# Altium PCB pioneer_2-bluepill_eletronic_wrapper.PcbDoc (part 2 of 2)
Units mm, origin at the board's own origin, x right, y up, seen from the top; angles counter-clockwise.
Board outline 74.55 x 93.73 mm, 2 copper layers (Top Layer, Bottom Layer); 99 components, 70 nets, 327 pads, 80 vias.
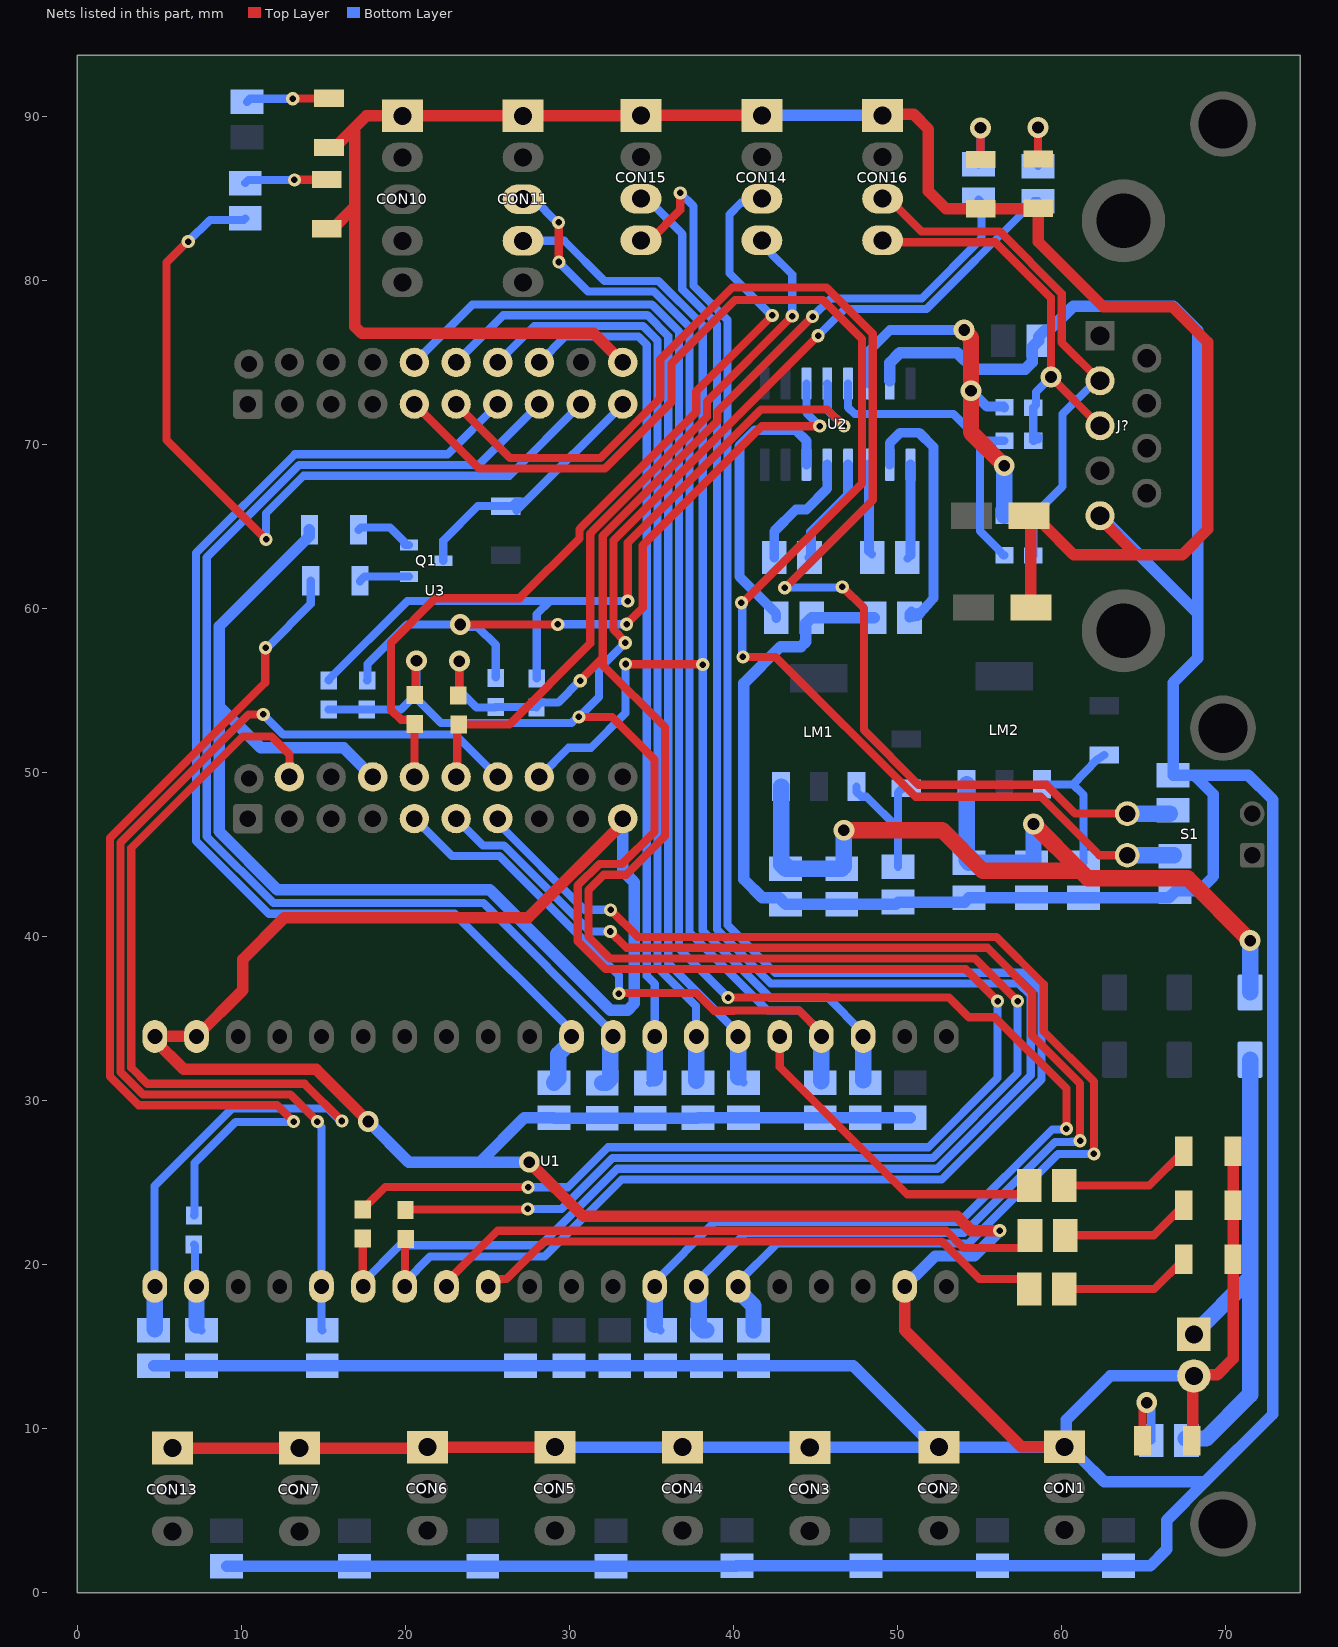
[diagram p2: the nets of this part, all layers, seen from the top]

## Via types
v1: diameter 0.8, hole 0.4, Top Layer to Bottom Layer, 52 vias
v2: diameter 1.27, hole 0.711, Top Layer to Bottom Layer, 28 vias

## Nets (pads, with @x,y where several pads share a name; then routed paths per layer and width w, separated by ;. In a path a pad name is that pad's centre, name@x,y a point inside that pad or via, vN(x,y) a via of type N, cw(c..) or ccw(c..) an arc to the next point about the centre after c; other vN are vias at no path point) (continued)
encoder2_s2: CON11.4 R51.1 U1.23 U3.18 | length 79.7
  Top Layer w0.5: v1(33.426,56.617) 33.445,56.598 38.109,56.598 v1(38.128,56.58)
  Bottom Layer w0.5: CON11.4@27.178,82.423 29.685,82.423 32.132,79.976 35.426,79.976 38.128,77.275 v1(38.128,56.58) ; U3.18@28.169,49.733 29.947,51.511 31.318,51.511 33.426,53.619 v1(33.426,56.617) ; v1@38.197,56.511 38.128,56.441 38.128,40.368 42.225,36.271 45.763,36.271 U1.23@47.879,34.155 ; R51.1@47.904,31.225 R51.1@48.031,31.098
  Bottom Layer w1: R51.1@47.904,31.225 U1.23@47.904,33.909
encoder2_s3: CON11.3 R52.1 U1.24 U3.5 | length 96.2
  Top Layer w0.5: v1(29.337,83.541) 29.35,83.528 29.35,81.14 v1(29.362,81.128) ; v1(33.02,36.525) 33.056,36.561 37.734,36.561 38.815,35.48 40.007,35.48 40.011,35.484 44.014,35.484 45.339,34.159 U1.24@45.339,33.909
  Bottom Layer w0.5: U3.5@20.549,47.193 22.835,44.907 25.73,44.907 33.02,37.617 v1(33.02,36.525) ; CON11.3@27.178,84.963 27.833,84.963 29.256,83.541 v1(29.337,83.541) ; v1(29.362,81.128) 29.362,81.102 31.14,79.324 35.156,79.324 37.326,77.155 37.326,40.248 42.09,35.484 44.014,35.484 U1.24@45.339,34.159 ; R52.1@45.288,31.098 R52.1@45.364,31.174
  Bottom Layer w1: R52.1@45.364,31.174 U1.24@45.364,33.909
gnd: C1.n C2.1 C3.1 C4.n C5.2 C8.1 C9.1 CON1.1 CON2.1 CON3.1 CON4.1 CON5.1 CON6.1 CON7.1 CON10.1 CON11.1 CON12.2 CON13.1 CON14.1 CON15.1 CON16.1 D1.2 D2.2 D3.2 D7.2 D8.2 D9.2 D11.2 D12.2 J?.5 R5.2 R6.2 R8.1 R10.2 R18.2 R19.2 R20.2 R21.2 R24.2 R27.2 R28.1 R33.2 R38.2 R39.2 R40.2 R41.2 R42.2 R43.2 R44.2 R45.2 R46.2 R47.2 R48.2 R49.2 R50.2 R51.2 R52.2 R53.2 R54.2 R55.2 R56.2 R57.2 U1.19 U1.39 U1.40 U2.15 U3.10 U3.14 U3.40 | length 717.6
  Top Layer w0.7: CON13.1@5.791,8.814 CON7.1@13.538,8.814 21.285,8.814 CON6.1@21.336,8.865 CON5.1@29.108,8.865 ; D9.2@15.189,83.158 15.564,83.158 16.916,84.51 ; D8.2@15.342,88.111 15.717,88.111 15.892,88.286 15.892,88.31 17.625,90.043 CON10.1@19.812,90.043 CON11.1@27.178,90.043 34.341,90.043 CON15.1@34.366,90.068 CON14.1@41.732,90.068 ; 16.916,89.052 16.916,84.51 ; v2(17.729,28.727) 16.24,30.217 14.554,31.902 6.481,31.902 4.724,33.659 U1.40@4.724,33.909 U1.39@7.264,33.909 10.084,36.728 10.084,38.608 12.617,41.141 27.476,41.141 33.249,46.914 U3.10@33.249,47.193 ; v2(27.55,26.248) 30.861,22.936 53.635,22.936 54.504,22.068 v1(56.24,22.068) ; U3.40@33.249,75.006 31.471,76.784 17.326,76.784 16.916,77.194 16.916,84.51 ; CON16.1@49.098,90.068 49.164,90.134 50.988,90.134 51.892,89.23 51.892,85.446 52.96,84.377 D11.2@55.067,84.377 55.08,84.39 58.56,84.39 D12.2@58.572,84.403 58.572,82.372 62.535,78.41 66.751,78.41 68.91,76.251 68.91,64.821 67.361,63.271 64.58,63.271 ; U1.19@50.444,18.669 50.444,15.999 57.553,8.89 CON1.1@60.198,8.89 ; C1.n@58.011,65.659 58.461,65.659 58.911,65.209 58.911,65.117 60.757,63.271 64.58,63.271 ; C4.n@58.138,60.071 C1.n@58.138,65.532 ; J?.5@62.357,65.659 62.357,65.494 64.58,63.271 ; D7.2@67.945,9.271 68.008,9.335 68.008,13.144 CON12.2@68.072,13.208 68.148,13.284 69.494,13.284 70.461,14.251 D3.2@70.461,20.32 D2.2@70.461,23.622 D1.2@70.461,26.924
  Bottom Layer w0.7: R53.2@4.648,13.835 R18.2@7.569,13.835 R54.2@14.935,13.835 R49.2@27.026,13.835 R48.2@29.972,13.835 R47.2@32.766,13.835 R21.2@35.56,13.835 R20.2@38.354,13.835 R19.2@41.224,13.835 47.307,13.835 CON2.1@52.277,8.865 ; R55.2@9.093,1.617 R46.2@16.891,1.617 R45.2@24.714,1.617 R44.2@32.537,1.617 40.183,1.617 R43.2@40.208,1.643 R42.2@48.082,1.643 R41.2@55.804,1.643 R40.2@63.475,1.643 65.422,1.643 66.421,2.642 66.421,4.42 68.758,6.756 ; R27.2@14.146,64.795 14.146,64.42 8.636,58.91 8.636,54.051 ; v2(17.729,28.727) 20.209,26.248 24.546,26.248 ; U3.14@18.009,49.733 16.231,51.511 11.176,51.511 8.636,54.051 ; v2(27.55,26.248) 24.546,26.248 ; CON5.1@29.108,8.865 CON4.1@36.906,8.865 44.628,8.865 CON3.1@44.653,8.839 44.679,8.865 CON2.1@52.277,8.865 ; U3.10@33.249,47.193 33.249,44.018 33.96,43.307 33.96,35.919 33.55,35.509 32.487,35.509 25.136,42.86 12.189,42.86 8.636,46.413 8.636,54.051 ; CON14.1@41.732,90.068 CON16.1@49.098,90.068 ; C8.1@48.582,59.434 44.765,59.434 C9.1@44.763,59.436 44.415,59.088 44.415,57.979 44.12,57.683 42.875,57.683 40.64,55.448 40.64,43.485 41.758,42.367 42.791,42.367 C2.1@43.18,41.978 R6.2@46.609,41.978 49.911,41.978 R5.2@50.038,42.105 54.102,42.105 R10.2@54.356,42.359 C3.1@58.166,42.359 R8.1@61.341,42.359 66.548,42.359 R33.2@66.929,42.74 66.972,42.783 68.386,42.783 69.266,43.663 69.266,48.666 68.259,49.673 ; U2.15@49.53,73.889 49.53,74.973 50.147,75.59 53.645,75.59 54.635,74.6 57.796,74.6 58.206,75.01 58.206,75.927 C5.2@58.606,76.327 58.606,76.577 59.006,76.977 59.256,76.977 60.593,78.314 60.714,78.435 66.827,78.435 68.301,76.962 68.301,59.715 ; U1.19@50.457,18.715 51.061,19.319 51.094,19.319 52.299,20.523 54.686,20.523 56.231,22.068 v1(56.24,22.068) ; R50.2@50.775,28.948 R51.2@48.031,28.948 R52.2@45.288,28.948 R24.2@40.615,28.948 R38.2@37.846,28.948 37.821,28.922 R39.2@34.925,28.922 R56.2@32.004,28.922 29.083,28.922 R57.2@29.058,28.948 27.246,28.948 24.546,26.248 ; J?.5@62.357,65.659 68.301,59.715 ; CON12.2@68.072,13.208 62.967,13.208 60.289,10.53 60.289,8.981 CON1.1@60.198,8.89 ; CON2.1@52.277,8.865 CON2.1@52.527,8.865 60.173,8.865 CON1.1@60.198,8.89 ; CON1.1@60.198,8.89 60.848,8.24 61.127,8.24 62.611,6.756 68.758,6.756 ; 68.301,59.715 68.301,56.972 66.802,55.474 R28.1@66.802,49.843 71.391,49.843 72.884,48.35 72.884,44.114 72.868,44.098 72.868,10.867 68.758,6.756
led_1: R1.2 U1.25 | length 20.5
  Top Layer w0.5: U1.25@42.824,33.909 42.824,32.055 50.597,24.282 57.531,24.282 58.031,24.782 R1.2@58.031,24.816
led_2: R2.2 U1.8 | length 37.8
  Top Layer w0.5: U1.8@22.479,18.919 25.624,22.064 52.975,22.064 54.021,21.018 57.582,21.018 58.082,21.518 R2.2@58.082,21.768
led_3: R3.2 U1.9 | length 34.9
  Top Layer w0.5: U1.9@25.019,18.919 25.21,19.11 25.821,19.11 25.837,19.126 26.162,19.126 28.448,21.412 52.705,21.412 54.991,19.126 R3.2@57.904,19.126
led_conn_esp: R23.2 U3.29 | length 48.9
  Top Layer w0.5: v1(6.756,82.372) 6.706,82.372 5.436,81.102 5.436,70.282 v1(11.506,64.211)
  Bottom Layer w0.5: v1(6.756,82.372) 8.077,83.693 10.143,83.693 R23.2@10.236,83.786 ; v1(11.506,64.211) 11.506,65.811 13.792,68.097 26.34,68.097 U3.29@30.709,72.466
mode_1: R28.2 S1.1B U3.26 | length 85.2
  Top Layer w0.5: U3.26@23.089,72.466 26.374,69.181 31.895,69.181 35.535,72.82 35.535,75.184 39.929,79.578 45.669,79.578 48.497,76.75 48.497,66.625 43.137,61.265 v1(43.129,61.265) ; v1(46.634,61.316) 46.66,61.316 47.955,60.02 47.955,52.586 51.29,49.251 59.08,49.251 60.833,47.498 S1.1B@64.008,47.498
  Bottom Layer w0.5: v1(43.129,61.265) 43.155,61.29 46.609,61.29 v1(46.634,61.316) ; R28.2@66.607,47.498 R28.2@66.802,47.693
  Bottom Layer w1: S1.1B@64.008,47.498 R28.2@66.607,47.498
mode_2: R33.1 S1.2B U3.25 | length 89.5
  Top Layer w0.5: U3.25@20.549,72.466 24.486,68.529 32.165,68.529 36.223,72.587 36.223,74.951 40.089,78.816 45.457,78.816 47.845,76.429 47.845,67.632 40.564,60.35 v1(40.488,60.35) ; v1(40.58,57.048) 42.57,57.048 51.095,48.524 58.74,48.524 62.306,44.958 S1.2B@64.008,44.958
  Bottom Layer w0.5: v1(40.488,60.35) 40.534,60.304 40.534,57.095 v1(40.58,57.048) ; R33.1@66.861,44.958 R33.1@66.929,44.89
  Bottom Layer w1: S1.2B@64.008,44.958 R33.1@66.861,44.958
motor1_comm1: R19.1 U1.15 U3.7 | length 77.5
  Top Layer w0.5: v1(32.512,41.631) 34.171,39.971 56.041,39.971 58.919,37.093 58.919,34.223 61.976,31.166 v1(61.976,26.746)
  Bottom Layer w0.5: U3.7@25.629,47.193 25.629,46.914 30.912,41.631 v1(32.512,41.631) ; U1.15@40.284,18.425 U1.15@40.284,18.669 40.284,18.898 42.671,21.285 54.323,21.285 59.784,26.746 v1(61.976,26.746)
  Bottom Layer w1: U1.15@40.284,18.425 41.224,17.485 R19.1@41.224,15.985
motor1_comm2: R20.1 U1.14 U3.6 | length 79.8
  Top Layer w0.5: v1(32.487,40.31) 33.477,39.319 55.499,39.319 58.217,36.601 58.217,33.96 61.138,31.039 v1(61.138,27.548)
  Bottom Layer w0.5: U3.6@23.089,47.193 24.723,45.559 26,45.559 31.25,40.31 v1(32.487,40.31) ; U1.14@37.719,18.919 40.737,21.937 54.053,21.937 59.599,27.483 60.632,27.483 60.64,27.491 61.08,27.491 v1(61.138,27.548) ; U1.14@37.744,18.148 U1.14@37.744,18.669
  Bottom Layer w1: U1.14@37.744,18.148 37.897,17.996 37.897,16.235 38.147,15.985 R20.1@38.354,15.985
motor1_comm3: R21.1 U1.13 U3.35 | length 117.3
  Top Layer w0.5: v1(39.675,36.282) 53.151,36.282 54.356,35.077 55.956,35.077 60.3,30.734 v1(60.3,28.285)
  Bottom Layer w0.5: U3.35@20.549,75.006 24.079,78.537 35.021,78.537 36.674,76.885 36.674,39.283 v1(39.675,36.282) ; U1.13@35.179,18.919 38.849,22.589 53.783,22.589 59.439,28.245 60.26,28.245 v1(60.3,28.285) ; R21.1@35.204,16.34 R21.1@35.56,15.985
  Bottom Layer w1: R21.1@35.204,16.34 U1.13@35.204,18.669
motor1_comm4: R57.1 U1.30 U3.27 | length 71.2
  Top Layer w0.5: U1.30@30.099,33.659 U1.30@30.099,33.909
  Bottom Layer w0.5: U3.27@25.629,72.466 22.564,69.401 13.252,69.401 7.232,63.381 7.232,45.831 11.678,41.385 23.004,41.385 30.099,34.29 U1.30@30.099,33.909 ; U1.30@30.124,33.665 U1.30@30.124,33.909
  Bottom Layer w1: R57.1@29.058,31.098 29.062,31.098 29.312,31.348 29.312,32.823 30.124,33.636 U1.30@30.124,33.665
motor2_comm1: R24.1 U1.26 U3.36 | length 62.1
  Top Layer w0.5: U1.26@40.259,33.909 U1.26@40.259,34.159
  Bottom Layer w0.5: U3.36@23.089,75.006 25.967,77.885 34.751,77.885 36.022,76.614 36.022,38.396 U1.26@40.259,34.159 ; R24.1@40.284,31.428 R24.1@40.615,31.098
  Bottom Layer w1: R24.1@40.284,31.428 U1.26@40.284,33.909
motor2_comm2: R38.1 U1.27 U3.37 | length 57.4
  Top Layer w0.5: U1.27@37.719,33.909 U1.27@37.781,33.971
  Bottom Layer w0.5: U3.37@25.629,75.006 27.855,77.233 34.481,77.233 35.37,76.344 35.37,38.126 37.719,35.777 U1.27@37.719,33.909 ; R38.1@37.744,31.199 R38.1@37.846,31.098
  Bottom Layer w1: R38.1@37.744,31.199 U1.27@37.744,33.909
motor2_comm3: R39.1 U1.28 U3.38 | length 53
  Top Layer w0.5: U1.28@35.179,33.909 U1.28@35.37,34.1
  Bottom Layer w0.5: U3.38@28.169,75.006 29.743,76.581 34.211,76.581 34.718,76.074 34.718,37.596 35.204,37.109 U1.28@35.204,33.909 ; R39.1@34.925,31.072 R39.1@35.204,31.352
  Bottom Layer w1: R39.1@35.204,31.352 U1.28@35.204,33.909
motor2_comm4: R56.1 U1.29 U3.28 | length 74.4
  Top Layer w0.5: U1.29@32.639,33.659 U1.29@32.639,33.909
  Bottom Layer w0.5: U3.28@28.169,72.466 24.452,68.749 13.522,68.749 7.884,63.111 7.884,46.102 11.948,42.037 24.761,42.037 U1.29@32.639,34.159
  Bottom Layer w1: R56.1@32.004,31.072 32.237,31.072 32.487,31.322 32.487,33.346 32.664,33.524 U1.29@32.664,33.909
NetC6_1: C6.1 U2.3 | length 5.5
  Bottom Layer w0.5: C6.1@48.26,63.5 C6.1@48.455,63.305
  Bottom Layer w0.6: C6.1@48.26,63.5 U2.3@48.26,68.772
NetC6_2: C6.2 U2.1 | length 5.8
  Bottom Layer w0.5: C6.2@50.605,63.051 C6.2@50.8,63.246
  Bottom Layer w0.6: C6.2@50.8,63.246 U2.1@50.8,68.772
NetC7_1: C7.1 U2.5 | length 7.4
  Bottom Layer w0.6: C7.1@42.486,63.119 42.486,64.711 43.815,66.04 44.45,66.04 45.72,67.31 U2.5@45.72,68.772
NetC7_2: C7.2 U2.4 | length 6.6
  Bottom Layer w0.6: C7.2@44.636,63.119 44.729,63.212 44.729,64.668 46.99,66.929 U2.4@46.99,68.772
NetC8_2: C8.2 U2.2 | length 17.1
  Bottom Layer w0.6: U2.2@49.53,68.772 49.53,70.104 50.146,70.72 51.327,70.72 52.197,69.85 52.197,60.624 51.816,60.198 51.336,59.649 51.213,59.526 C8.2@50.732,59.434 ; C8.2@50.986,59.563 C8.2@51.232,59.74 ; C8.2@50.732,59.434 50.986,59.688 50.861,59.813 50.732,59.684 C8.2@50.732,59.434
NetC9_2: C9.2 U2.6 | length 17.6
  Bottom Layer w0.6: C9.2@42.613,59.432 42.613,59.686 40.361,61.938 40.361,69.926 41.3,70.866 43.815,70.866 44.45,70.231 U2.6@44.45,68.772
NetD1_1: D1.1 R1.1 | length 8.6
  Top Layer w0.5: R1.1@59.771,24.816 65.353,24.816 D1.1@67.461,26.924
NetD2_1: D2.1 R2.1 | length 8
  Top Layer w0.5: R2.1@60.232,21.768 60.257,21.793 65.632,21.793 D2.1@67.461,23.622
NetD3_1: D3.1 R3.1 | length 7.9
  Top Layer w0.5: R3.1@60.285,18.517 65.658,18.517 D3.1@67.461,20.32
NetD7_1: D7.1 R9.1 | length 4.8
  Top Layer w0.5: D7.1@64.945,9.271 64.945,11.117 65.202,11.374 v2(65.202,11.582)
  Bottom Layer w0.5: v2(65.202,11.582) 65.202,11.374 65.473,11.103 R9.1@65.473,9.271
NetD8_1: D8.1 R22.1 | length 5.1
  Top Layer w0.5: v1(13.132,91.084) 13.145,91.098 15.328,91.098 D8.1@15.342,91.111
  Bottom Layer w0.5: R22.1@10.338,90.889 10.533,91.084 v1(13.132,91.084)
NetD9_1: D9.1 R23.1 | length 5
  Top Layer w0.5: v1(13.233,86.131) 13.247,86.145 15.176,86.145 D9.1@15.189,86.158
  Bottom Layer w0.5: R23.1@10.236,85.936 10.431,86.131 v1(13.233,86.131)
NetD11_1: D11.1 R11.1 | length 4.2
  Top Layer w0.5: D11.1@55.067,87.377 v2(55.067,89.306)
  Bottom Layer w0.5: R11.1@54.94,87.079 55.067,87.206 v2(55.067,89.306)
NetD12_1: D12.1 R12.1 | length 4.3
  Top Layer w0.5: D12.1@58.572,87.403 v2(58.572,89.332)
  Bottom Layer w0.5: R12.1@58.572,86.978 v2(58.572,89.332)
NetLM1_1: LM1.1 R4.1 R5.1 | length 8.9
  Bottom Layer w0.5: LM1.1@47.512,49.135 47.512,48.826 47.812,48.526 48.121,48.526 50.038,46.609 ; R5.1@50.038,44.255 50.038,46.609 ; R4.1@50.546,49.046 50.313,49.046 50.038,48.771 50.038,46.609
NetLM2_1: LM2.1 R7.1 R8.2 | length 9.6
  Bottom Layer w0.5: LM2.1@58.815,49.278 60.708,49.278 ; R8.2@61.341,44.509 61.341,48.645 60.708,49.278 ; R7.1@62.611,51.078 62.172,50.803 60.708,49.278
NetQ1_1: Q1.1 R26.1 | length 3.1
  Bottom Layer w0.5: R26.1@17.223,61.64 17.223,61.681 17.498,61.956 Q1.1@20.21,61.956
NetQ1_2: Q1.2 R27.1 | length 3.7
  Bottom Layer w0.5: R27.1@17.146,64.795 17.299,64.948 19.056,64.948 19.91,64.094 19.91,63.951 19.985,63.876 Q1.2@20.21,63.876
p2dx_con: R53.1 U1.1 U3.12 | length 64.4
  Top Layer w0.5: U3.12@12.929,49.733 12.929,51.105 11.836,52.197 10.084,52.197 3.285,45.398 3.285,32.003 4.266,31.022 13.86,31.022 v1(16.129,28.753)
  Bottom Layer w0.5: R53.1@4.648,15.985 R53.1@4.724,16.061 ; U1.1@4.699,18.669 4.699,24.785 9.437,29.523 15.278,29.523 16.048,28.753 v1(16.129,28.753)
  Bottom Layer w1: R53.1@4.724,16.061 U1.1@4.724,18.669
p2dx_con_2: R54.1 U1.5 U3.17 | length 67.9
  Top Layer w0.5: v1(11.328,53.543) 10.439,53.543 2.633,45.737 2.633,31.733 3.996,30.37 12.981,30.37 v1(14.63,28.721)
  Bottom Layer w0.5: v1(11.328,53.543) 12.548,52.324 23.038,52.324 U3.17@25.629,49.733 ; v1(14.63,28.721) 14.63,28.64 14.884,28.386 U1.5@14.884,18.669 14.884,16.036 R54.1@14.935,15.985
rst: R16.2 R26.2 | length 58
  Top Layer w0.5: v1@11.455,57.607 11.455,55.481 1.981,46.007 1.981,31.463 3.726,29.718 12.167,29.718 13.164,28.721 v1(13.183,28.721)
  Bottom Layer w0.5: R16.2@7.112,22.987 7.137,23.012 7.137,26.187 9.652,28.702 13.164,28.702 v1(13.183,28.721) ; v1(11.481,57.607) 11.538,57.665 11.62,57.665 14.223,60.268 R26.2@14.223,61.697
rst_esp: R16.1 R18.1 U1.2 | length 5.3
  Bottom Layer w0.5: R16.1@7.101,21.221 7.17,21.152 U1.2@7.17,18.738 ; R18.1@7.264,16.29 R18.1@7.569,15.985
  Bottom Layer w1: R18.1@7.264,16.29 U1.2@7.264,18.669
rst_signal: Q1.3 R25.1 U3.30 | length 16.4
  Bottom Layer w0.5: Q1.3@22.31,62.916 22.31,64.144 24.409,66.243 R25.1@26.111,66.243 26.533,66.243 26.533,66.288 26.761,66.517 27.323,66.517 ; R25.1@26.768,65.962 27.323,66.517 ; U3.30@33.254,72.447 27.323,66.517
rxd0_bluepill: CON15.3 R17.2 U1.6 | length 121.2
  Top Layer w0.5: U1.6@17.399,18.669 R17.2@17.399,21.59
  Bottom Layer w0.5: U1.6@17.399,18.919 19.664,21.184 28.255,21.184 32.92,25.849 52.432,25.849 58.13,31.546 58.13,36.4 57.387,37.143 43.67,37.143 42.275,37.143 38.989,40.429 38.989,41.824 38.989,77.335 36.881,79.444 36.881,82.824 34.716,84.988 CON15.3@34.366,84.988
rxd1_i_m232: R30.1 R32.1 U2.12 | length 48.9
  Top Layer w0.5: v1(33.553,60.452) 33.553,64.008 41.681,72.136 45.72,72.136 v1(46.736,71.12)
  Bottom Layer w0.5: R32.1@15.327,55.614 15.327,55.664 20.115,60.452 28.804,60.452 ; R30.1@28.002,55.741 28.002,59.65 28.804,60.452 ; v1(33.553,60.452) 28.804,60.452 ; U2.12@45.72,73.722 45.745,73.697 45.745,72.111 v1(46.736,71.12)
rxd1_o_m232: R35.2 R37.2 U2.13 | length 19.5
  Bottom Layer w0.5: U2.13@46.99,73.722 46.99,72.263 47.396,71.857 53.416,71.857 55.042,70.231 ; R35.2@56.515,63.246 56.465,63.246 56.215,63.496 56.215,63.546 55.042,64.719 55.042,70.231 ; R37.2@56.515,70.231 55.042,70.231
rxd2_esp32: CON14.3 R15.2 U3.15 | length 51.3
  Top Layer w0.5: U3.15@20.549,49.733 R15.2@20.549,52.959 ; R15.2@20.574,52.972 20.324,53.222 19.727,53.222 19.126,53.823 19.126,57.912 21.844,60.63 26.968,60.63 30.615,64.277 30.615,64.834 30.725,64.944 30.725,64.962 37.727,71.964 37.727,73.236 v1(42.367,77.876)
  Bottom Layer w0.5: CON14.3@41.732,84.988 41.483,84.74 40.47,84.74 39.751,84.021 39.751,80.442 42.316,77.876 v1(42.367,77.876)
rxd_micro: R12.2 R15.1 R17.1 R31.2 R32.2 | length 161
  Top Layer w0.5: R17.1@17.388,23.356 17.388,23.406 17.638,23.656 17.688,23.656 18.772,24.74 27.457,24.74 v1(27.483,24.714) ; R15.1@20.563,54.725 20.619,54.781 20.619,56.764 v2(20.676,56.82) ; v1(30.582,53.391) 32.588,53.391 35.179,50.8 35.179,46.388 33.216,44.425 31.826,44.425 30.505,43.104 30.505,39.718 32.208,38.015 54.161,38.015 v1(56.109,36.068) ; v1(33.401,57.912) 33.401,57.993 32.681,58.713 32.681,64.152 v1(45.161,76.632)
  Bottom Layer w0.5: R32.2@15.316,53.848 R31.2@17.653,53.848 19.736,53.848 20.676,54.788 ; v2(20.676,56.82) 20.676,54.788 ; v1(27.483,24.714) 29.921,24.714 32.36,27.153 51.892,27.153 56.109,31.369 v1(56.109,36.068) ; v1(33.401,57.912) 31.801,56.312 31.801,54.61 v1(30.582,53.391) 30.507,53.391 30.139,53.023 22.166,53.023 20.676,54.513 20.676,54.788 ; v1(45.161,76.632) 46.787,78.257 51.765,78.257 57.822,84.315 57.822,84.328 58.322,84.828 R12.2@58.572,84.828
rxd_pioner: CON16.3 J?.2 R34.1 R35.1 | length 32.7
  Top Layer w0.5: CON16.3@49.098,84.988 49.448,84.988 51.455,82.982 56.243,82.982 60.012,79.213 60.012,76.234 J?.2@62.357,73.889
  Bottom Layer w0.5: CON16.3@49.098,84.988 CON16.3@49.677,84.988 ; R35.1@58.281,63.235 R34.1@58.281,65.648 58.331,65.648 58.581,65.898 58.581,65.948 60.071,67.438 60.071,71.857 62.103,73.889 J?.2@62.357,73.889
serial_rx_micro: CON15.4 R14.2 U1.7 | length 123.1
  Top Layer w0.5: U1.7@19.939,18.669 19.977,18.707 19.977,21.526 R14.2@20.015,21.565 ; CON15.4@34.366,82.448 34.9,82.448 36.754,84.303 v1(36.754,85.344)
  Bottom Layer w0.5: U1.7@19.939,18.919 21.508,20.488 28.481,20.488 33.19,25.197 52.702,25.197 58.782,31.276 58.782,36.67 57.657,37.795 42.545,37.795 39.641,40.699 39.641,77.605 37.567,79.68 37.567,84.531 v1(36.754,85.344)
txd1_i_m232: R29.1 R31.1 U2.11 | length 44.4
  Top Layer w0.5: v2(23.343,59.03) v1(29.286,59.03) ; v1(33.483,59.045) 34.468,60.029 34.468,63.842 41.746,71.12 v1(45.263,71.12)
  Bottom Layer w0.5: R31.1@17.664,55.614 17.683,55.633 17.683,56.621 20.091,59.03 v2(23.343,59.03) 23.49,58.882 24.404,58.882 25.513,57.774 R29.1@25.513,55.816 ; v1(29.286,59.03) 29.294,59.037 33.476,59.037 v1(33.483,59.045) ; U2.11@44.45,73.722 44.45,71.934 v1(45.263,71.12)
txd1_o_m232: R34.2 R36.2 U2.14 | length 23.1
  Top Layer w1: v2(54.067,76.987) 54.067,76.914 54.483,76.498 54.483,70.739 v2(56.515,68.707)
  Bottom Layer w0.6: U2.14@48.26,73.722 48.26,75.692 49.555,76.987 v2(54.067,76.987) ; v2(54.483,73.279) 55.446,72.316 56.462,72.316 R36.2@56.515,72.263
  Bottom Layer w1: R34.2@56.515,65.659 v2(56.515,68.707)
txd2_esp32: CON14.4 R13.2 U3.16 | length 43.6
  Top Layer w0.5: U3.16@23.089,49.733 23.165,49.809 R13.2@23.165,52.73 ; R13.2@23.241,52.934 26.34,52.934 31.267,57.861 31.267,64.564 31.377,64.674 31.377,64.692 38.379,71.694 38.379,72.618 v1(43.586,77.826)
  Bottom Layer w0.5: CON14.4@41.732,82.448 42.331,81.85 42.331,81.618 43.586,80.363 v1(43.586,77.826)
txd_micro: R11.2 R13.1 R14.1 R29.2 R30.2 | length 149.5
  Top Layer w0.5: R14.1@20.004,23.331 20.036,23.362 27.426,23.362 v1(27.457,23.393) ; R13.1@23.23,54.7 23.261,54.731 23.261,56.764 v2(23.292,56.794) ; v1(30.658,55.601) 32.029,56.972 ; v1(44.831,77.8) 39.031,72 39.031,71.424 32.029,64.422 32.029,56.972 ; v1(57.328,36.068) 54.728,38.667 32.478,38.667 31.157,39.988 31.157,42.834 32.096,43.773 33.486,43.773 35.831,46.118 35.831,52.764 32.029,56.566 32.029,56.972
  Bottom Layer w0.5: v2(23.292,56.794) 23.292,55.016 24.333,53.975 25.476,53.975 R29.2@25.502,54 ; R29.2@25.514,53.988 27.978,53.988 R30.2@27.991,53.975 27.991,54.015 28.241,54.265 29.322,54.265 v1(30.658,55.601) ; v1(27.457,23.393) 29.522,23.393 32.63,26.501 52.162,26.501 57.328,31.666 v1(57.328,36.068) ; v1(44.831,77.8) 45.94,78.909 51.482,78.909 55.13,82.557 55.13,84.74 R11.2@54.94,84.929
txd_pioneer: CON16.4 J?.3 R36.1 R37.1 | length 25.8
  Top Layer w0.5: CON16.4@49.098,82.448 49.217,82.33 55.973,82.33 59.36,78.943 v2(59.36,74.117) J?.3@62.332,71.145
  Bottom Layer w0.5: CON16.4@49.098,82.448 CON16.4@49.124,82.423 ; R37.1@58.581,70.299 58.581,70.47 58.331,70.22 R37.1@58.281,70.22 R36.1@58.281,72.252 58.443,72.414 58.443,73.201 v2(59.36,74.117) ; J?.3@62.382,71.247 J?.3@62.433,71.298
VCC: CON12.1 D6.2 R9.2 | length 30.3
  Bottom Layer w1: R9.2@67.564,9.398 68.825,9.398 71.501,12.074 71.501,19.177 ; CON12.1@68.072,15.748 71.501,19.177 ; D6.2@71.501,32.494 71.501,19.177
vcc_protected: C2.2 C3.2 D6.1 LM1.3 LM2.3 R6.1 R10.1 | length 57.6
  Top Layer w1: v2(46.736,46.482) 52.742,46.482 55.205,44.018 61.138,44.018 ; v2(58.293,46.863) 61.138,44.018 ; v2(71.501,39.751) 67.7,43.552 61.604,43.552 61.138,44.018
  Bottom Layer w1: LM1.3@42.912,49.151 C2.2@42.912,44.628 ; C2.2@43.18,44.128 42.912,44.396 C2.2@42.912,44.628 ; v2(46.736,46.482) 46.736,44.255 R6.1@46.609,44.128 43.412,44.128 C2.2@42.912,44.628 ; LM2.3@54.215,49.278 R10.1@54.215,45.009 ; R10.1@54.356,44.509 54.215,44.65 R10.1@54.215,45.009 ; v2(58.293,46.863) 58.293,44.636 C3.2@58.166,44.509 54.715,44.509 R10.1@54.215,45.009 ; D6.1@71.501,36.594 v2(71.501,39.751)
pads on no net: J?.1 J?.4 J?.6 J?.7 J?.8 J?.9 J?.G1 J?.G2 U1.3 U1.4 U1.21 U1.37 U1.38 U2.7 U2.8 U2.9 U2.10 U3.1 U3.2 U3.4 U3.11 U3.19 U3.20 U3.23 U3.31 U3.32 U3.33 U3.39
copper on no net: | length 0.1
  Top Layer w0.5: v1@46.285,76.581 v1(46.33,76.581)
  Bottom Layer w0.5: v1@46.33,76.5 v1(46.33,76.581)

## Polygon pours and split planes (outlines as drawn)
gnd on Bottom Layer "GND_L02_P038" (solid, pour order 38): -0.051,0 -0.025,0 74.498,0 74.498,93.701 -0.051,93.701
rxd1_o_m232 on Bottom Layer "RXD1_O_M232_L02_P032" (solid, pour order 32): 57.328,62.89 55.143,62.89 53.442,64.592 53.442,70.587 52.349,71.679 52.349,72.085 53.518,72.085 54.712,70.891 57.353,70.891 57.353,69.901 57.277,69.825 55.982,69.825 55.321,69.164 55.321,64.668 56.083,63.906 57.328,63.906
5v on Bottom Layer "5V_L02_P041" (solid, pour order 41): 55.474,75.298 57.252,75.298 57.252,78.778 56.49,79.54 55.474,79.54
NetC6_2 on Bottom Layer "NETC6_2_L02_P030" (solid, pour order 30): 49.86,62.154 51.333,62.154 51.333,69.571 51.079,69.825 50.444,69.825 50.444,67.285 49.86,66.7
NetC7_2 on Bottom Layer "NETC7_2_L02_P029" (solid, pour order 29): 47.295,67.97 47.295,64.059 45.364,62.128 43.866,62.128 43.866,64.189 46.711,67.034 46.711,67.97
NetC6_1 on Bottom Layer "NETC6_1_L02_P027" (solid, pour order 27): 47.701,62.128 47.701,67.31 48.082,67.691 48.463,67.691 49.2,66.954 49.2,62.128
NetC7_1 on Bottom Layer "NETC7_1_L02_P025" (solid, pour order 25): 43.231,64.389 45.923,67.081 45.923,67.843 45.491,67.843 44.171,66.523 43.104,66.523 41.732,65.151 41.732,62.128 43.231,62.128
NetLM2_1 on Bottom Layer "NETLM2_1_L02_P024" (solid, pour order 24): 62.408,43.79 62.408,48.489 63.576,49.657 63.576,51.664 61.646,51.664 61.646,50.927 60.858,50.14 58.268,50.14 58.268,48.387 59.309,48.387 60.35,47.346 60.35,43.79
NetLM1_1 on Bottom Layer "NETLM1_1_L02_P022" (solid, pour order 22): 48.971,43.383 51.105,43.383 51.105,47.092 51.664,47.65 51.664,50.368 46.787,50.368 46.787,48.387 48.971,46.203
vcc_protected on Bottom Layer "VCC_PROTECTED_L02_P009" (solid, pour order 9): 47.676,46.939 47.676,43.332 42.113,43.332 42.113,50.038 43.942,50.038 43.942,47.625 46.99,47.625
5v on Bottom Layer "5V_L02_P014" (solid, pour order 14): 53.213,74.295 52.807,74.701 50.495,74.701 50.495,72.72 53.213,72.72
vcc_protected on Bottom Layer "VCC_PROTECTED_L02_P010" (solid, pour order 10): 53.34,43.815 53.34,50.292 54.991,50.292 54.991,48.133 55.372,47.752 58.801,47.752 59.309,47.244 59.309,43.815
5v on Bottom Layer "5V_L02_P008" (solid, pour order 8): 43.434,52.959 44.323,52.07 44.323,51.562 44.577,51.308 44.577,48.26 45.847,48.26 45.847,50.927 46.482,51.562 51.562,51.562 51.562,54.483 50.419,55.626 50.419,56.134 49.784,56.769 49.276,56.769 43.434,56.769
3v3 on Bottom Layer "3V3_L02_P007" (solid, pour order 7): 65.583,54.686 65.938,54.331 65.938,53.289 65.913,53.264 59.487,53.264 57.15,50.927 57.15,48.387 56.007,48.387 55.88,48.514 55.88,50.673 51.181,55.372 51.181,56.134 51.791,56.744 58.471,56.744 60.528,54.686
gnd on Top Layer "GND_L01_P039" (solid, pour order 39): 0,0.051 74.524,0.051 74.549,0.025 74.549,93.777 -0.025,93.777
5v on Top Layer "5V_L01_P040" (solid, pour order 40): 52.451,71.145 52.476,71.171 52.476,76.657 54.559,78.74 56.134,78.74 54.508,80.366 48.362,80.366 48.336,80.34 50.749,77.927 50.749,72.847
3v3 on Top Layer "3V3_L01_P020" (solid, pour order 20): 51.308,58.801 53.34,60.833 55.88,60.833 55.88,59.309 52.832,56.261 52.832,54.889 51.308,54.889 51.308,55.372
3v3 on Top Layer "3V3_L01_P016" (solid, pour order 16): 72.517,48.133 71.755,48.895 67.818,48.895 66.294,50.419 66.294,54.508 65.303,54.508 64.897,54.102 64.897,49.911 69.469,45.339 69.469,42.926 71.628,40.767 72.517,40.767
vcc_protected on Top Layer "VCC_PROTECTED_L01_P006" (solid, pour order 6): 46.396,46.838 49.571,43.282 61.871,43.282 58.315,46.838

## Keep-outs
Keep-Out Layer:
  the board outline again, w1

## Silkscreen, mask and mechanical layers (free items; w line width, h text height)
Top Overlay:
  drawing of 65 lines, arcs and shapes, not listed

## Text inside footprints (layer, text, board x,y; h text height)
U1: Top Overlay "GND" at 5.232,29.591 h1 r90; Top Overlay "GND" at 7.772,29.591 h1 r90; Top Overlay "3V3" at 10.312,29.591 h1 r90; Top Overlay "nRST" at 12.852,28.591 h1 r90; Top Overlay "B11" at 15.392,30.091 h1 r90; Top Overlay "B10" at 17.932,29.758 h1 r90; Top Overlay "B1" at 20.472,30.924 h1 r90; Top Overlay "B0" at 23.012,30.591 h1 r90; Top Overlay "A7" at 25.552,30.591 h1 r90; Top Overlay "A6" at 28.092,30.591 h1 r90; Top Overlay "A5" at 30.632,30.591 h1 r90; Top Overlay "A4" at 33.172,30.591 h1 r90; Top Overlay "VBAT" at 53.492,28.591 h1 r90; Top Overlay "C13" at 50.952,29.758 h1 r90; Top Overlay "C14" at 48.362,29.769 h1 r90; Top Overlay "C15" at 45.872,29.758 h1 r90; Top Overlay "A0" at 43.332,30.591 h1 r90; Top Overlay "A1" at 40.792,30.924 h1 r90; Top Overlay "A2" at 38.252,30.591 h1 r90; Top Overlay "A3" at 35.712,30.591 h1 r90; Top Overlay "B5" at 35.712,20.193 h1 r90; Top Overlay "B6" at 38.252,20.193 h1 r90; Top Overlay "B7" at 40.792,20.193 h1 r90; Top Overlay "B8" at 43.332,20.193 h1 r90; Top Overlay "B9" at 45.872,20.193 h1 r90; Top Overlay "5V" at 48.412,20.193 h1 r90; Top Overlay "GND" at 50.952,20.193 h1 r90; Top Overlay "3V3" at 53.492,20.193 h1 r90; Top Overlay "B4" at 33.172,20.193 h1 r90; Top Overlay "B3" at 30.632,20.193 h1 r90; Top Overlay "A15" at 28.092,20.193 h1 r90; Top Overlay "A12" at 25.552,20.193 h1 r90; Top Overlay "A11" at 23.012,20.193 h1 r90; Top Overlay "A10" at 20.472,20.193 h1 r90; Top Overlay "A9" at 17.932,20.193 h1 r90; Top Overlay "A8" at 15.392,20.193 h1 r90; Top Overlay "B15" at 12.852,20.193 h1 r90; Top Overlay "B14" at 10.312,20.193 h1 r90; Top Overlay "B13" at 7.772,20.193 h1 r90; Top Overlay "B12" at 5.232,20.193 h1 r90
U3: Top Overlay "SD1" at 12.534,55.385 h0.7 r270; Top Overlay "CLK" at 9.994,55.385 h0.7 r270; Top Overlay "GND" at 32.981,55.385 h0.7 r270; Top Overlay "IO27" at 30.441,55.385 h0.7 r270; Top Overlay "IO25" at 27.901,55.385 h0.7 r270; Top Overlay "IO32" at 25.361,55.385 h0.7 r270; Top Overlay "TDI" at 22.821,55.385 h0.7 r270; Top Overlay "IO4" at 20.281,55.385 h0.7 r270; Top Overlay "IO0" at 17.741,55.385 h0.7 r270; Top Overlay "IO2" at 15.201,55.385 h0.7 r270; Top Overlay "TD0" at 12.548,58.623 h0.7 r270; Top Overlay "SDD" at 10.008,58.623 h0.7 r270; Top Overlay "TXD" at 32.995,58.623 h0.7 r270; Top Overlay "RXD" at 30.455,58.623 h0.7 r270; Top Overlay "IO22" at 27.915,58.623 h0.7 r270; Top Overlay "IO21" at 25.375,58.623 h0.7 r270; Top Overlay "IO17" at 22.835,58.623 h0.7 r270; Top Overlay "IO16" at 20.295,58.623 h0.7 r270; Top Overlay "GND" at 17.755,58.623 h0.7 r270; Top Overlay "VCC" at 15.215,58.623 h0.7 r270; Top Overlay "TCK" at 12.534,66.053 h0.7 r270; Top Overlay "SD3" at 9.994,66.053 h0.7 r270; Top Overlay "RST" at 32.981,66.053 h0.7 r270; Top Overlay "SUP" at 30.441,66.053 h0.7 r270; Top Overlay "IO26" at 27.901,66.052 h0.7 r270; Top Overlay "IO18" at 25.361,66.053 h0.7 r270; Top Overlay "IO19" at 22.821,66.053 h0.7 r270; Top Overlay "IO23" at 20.281,66.052 h0.7 r270; Top Overlay "IO5" at 17.741,66.052 h0.7 r270; Top Overlay "3V3" at 15.201,66.053 h0.7 r270; Top Overlay "SD2" at 12.548,69.291 h0.7 r270; Top Overlay "CMD" at 10.008,69.291 h0.7 r270; Top Overlay "GND" at 32.995,69.291 h0.7 r270; Top Overlay "NC" at 30.455,69.291 h0.7 r270; Top Overlay "SUN" at 27.915,69.291 h0.7 r270; Top Overlay "IO35" at 25.374,69.291 h0.7 r270; Top Overlay "IO33" at 22.834,69.291 h0.7 r270; Top Overlay "IO34" at 20.294,69.291 h0.7 r270; Top Overlay "TMS" at 17.755,69.291 h0.7 r270; Top Overlay "NC" at 15.215,69.291 h0.7 r270